# Altium PCB FPv0.16.PcbDoc (part 1 of 2) (continued)
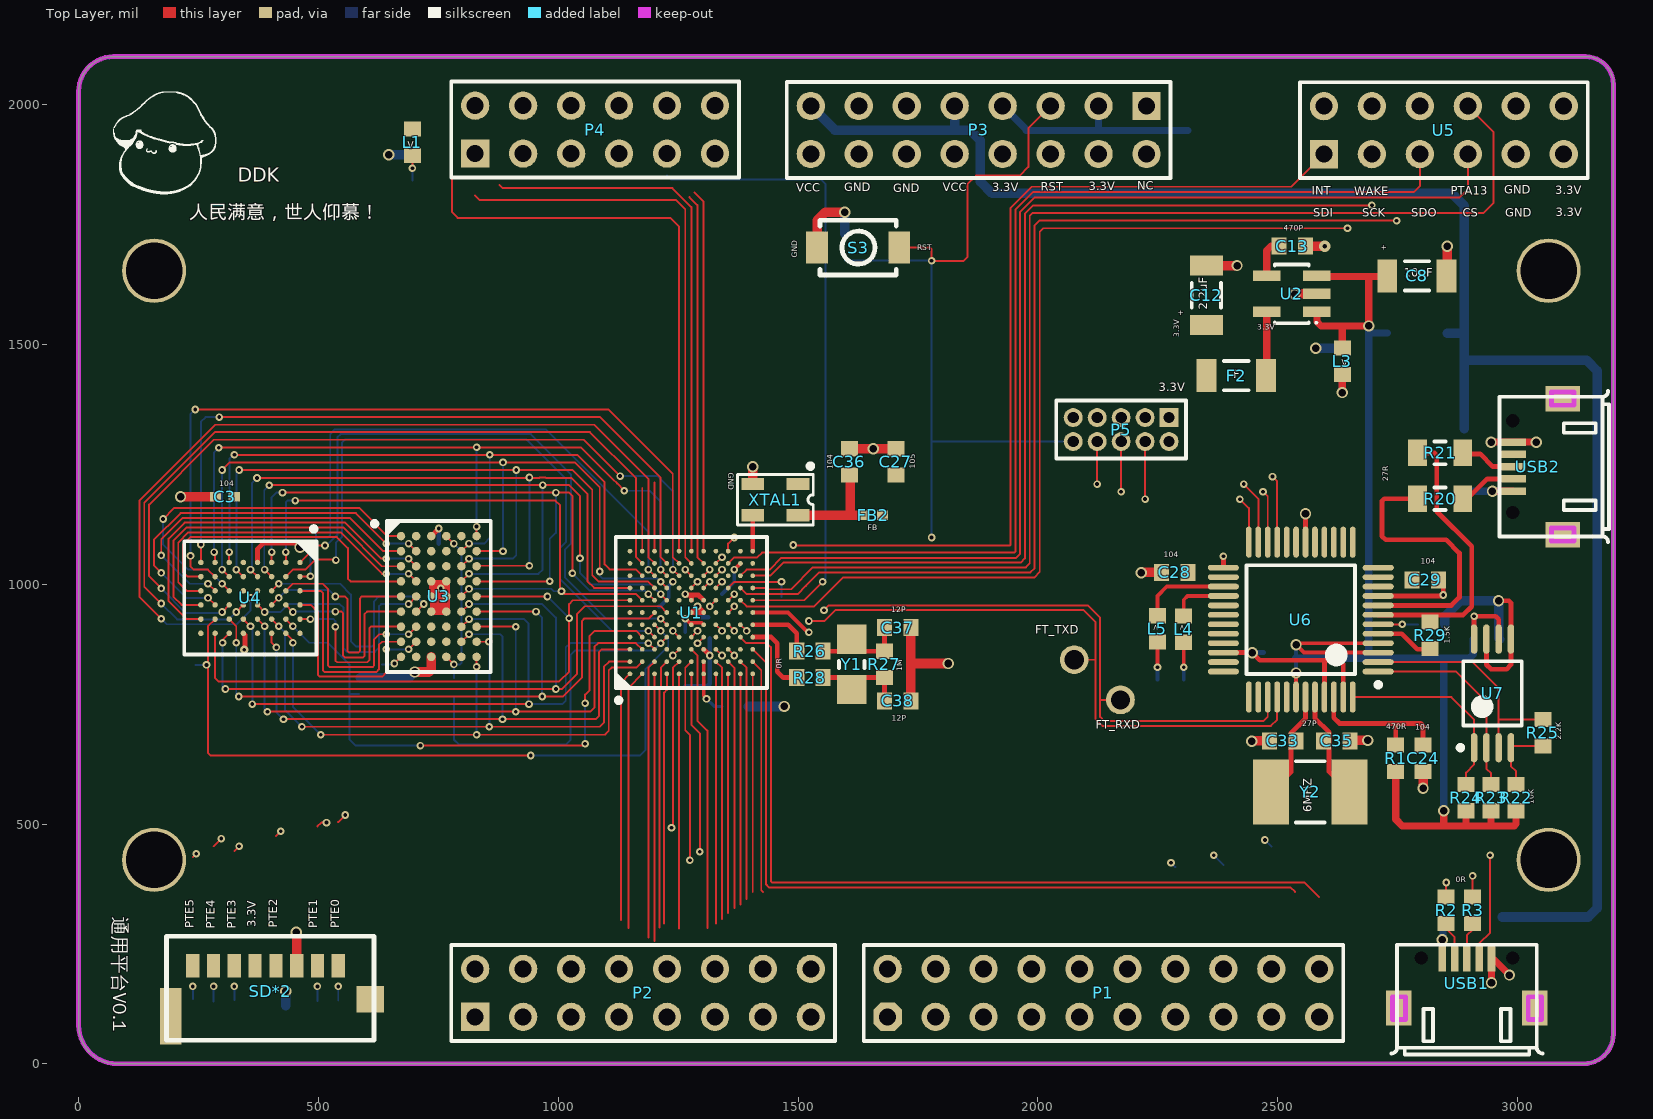
[diagram p0: Top Layer view]
## Footprints (in the part's own frame and the unit in brackets; to place one, negate y for a bottom-side part, rotate by r counter-clockwise, add the part's x,y. Pads: shape width x height; smd on the part's side, far side on the other; paste and mask are expansions set on the pad) (continued)
  silkscreen extent -3.77,-3.5 3,3.5, body extent -2.99,-3.49 2.99,3.49, height 1.04
BGA54C80P6X9_550X800X120 [mm] "BGA, 54-Leads, Body 5.50x8.00mmx1.20mm, Pitch 0.80mm"
  round 0.45 smd: A1(-2,3.2) A2(-1.2,3.2) A3(-0.4,3.2) A4(0.4,3.2) A5(1.2,3.2) A6(2,3.2) B1(-2,2.4) B2(-1.2,2.4) B3(-0.4,2.4) B4(0.4,2.4) B5(1.2,2.4) B6(2,2.4) C1(-2,1.6) C2(-1.2,1.6) C3(-0.4,1.6) C4(0.4,1.6) C5(1.2,1.6) C6(2,1.6) D1(-2,0.8) D2(-1.2,0.8) D3(-0.4,0.8) D4(0.4,0.8) D5(1.2,0.8) D6(2,0.8) E1(-2,0) E2(-1.2,0) E3(-0.4,0) E4(0.4,0) E5(1.2,0) E6(2,0) F1(-2,-0.8) F2(-1.2,-0.8) F3(-0.4,-0.8) F4(0.4,-0.8) F5(1.2,-0.8) F6(2,-0.8) G1(-2,-1.6) G2(-1.2,-1.6) G3(-0.4,-1.6) G4(0.4,-1.6) G5(1.2,-1.6) G6(2,-1.6) H1(-2,-2.4) H2(-1.2,-2.4) H3(-0.4,-2.4) H4(0.4,-2.4) H5(1.2,-2.4) H6(2,-2.4) J1(-2,-3.2) J2(-1.2,-3.2) J3(-0.4,-3.2) J4(0.4,-3.2) J5(1.2,-3.2) J6(2,-3.2)
  silkscreen extent -3.52,-4 2.75,4, body extent -2.75,-4 2.75,4, height 1.2
BGA121C65P11X11_800X800X50 [mm] "BGA, 121-Leads, Body 8.00x8.00mmx0.50mm, Pitch 0.65mm"
  round 0.25 smd: A1(-3.25,3.25) A2(-2.6,3.25) A3(-1.95,3.25) A4(-1.3,3.25) A5(-0.65,3.25) A6(0,3.25) A7(0.65,3.25) A8(1.3,3.25) A9(1.95,3.25) A10(2.6,3.25) A11(3.25,3.25) B1(-3.25,2.6) B2(-2.6,2.6) B3(-1.95,2.6) B4(-1.3,2.6) B5(-0.65,2.6) B6(0,2.6) B7(0.65,2.6) B8(1.3,2.6) B9(1.95,2.6) B10(2.6,2.6) B11(3.25,2.6) C1(-3.25,1.95) C2(-2.6,1.95) C3(-1.95,1.95) C4(-1.3,1.95) C5(-0.65,1.95) C6(0,1.95) C7(0.65,1.95) C8(1.3,1.95) C9(1.95,1.95) C10(2.6,1.95) C11(3.25,1.95) D1(-3.25,1.3) D2(-2.6,1.3) D3(-1.95,1.3) D4(-1.3,1.3) D5(-0.65,1.3) D6(0,1.3) D7(0.65,1.3) D8(1.3,1.3) D9(1.95,1.3) D10(2.6,1.3) D11(3.25,1.3) E1(-3.25,0.65) E2(-2.6,0.65) E3(-1.95,0.65) E4(-1.3,0.65) E5(-0.65,0.65) E6(0,0.65) E7(0.65,0.65) E8(1.3,0.65) E9(1.95,0.65) E10(2.6,0.65) E11(3.25,0.65) F1(-3.25,0) F2(-2.6,0) F3(-1.95,0) F4(-1.3,0) F5(-0.65,0) F6(0,0) F7(0.65,0) F8(1.3,0) F9(1.95,0) F10(2.6,0) F11(3.25,0) G1(-3.25,-0.65) G2(-2.6,-0.65) G3(-1.95,-0.65) G4(-1.3,-0.65) G5(-0.65,-0.65) G6(0,-0.65) G7(0.65,-0.65) G8(1.3,-0.65) G9(1.95,-0.65) G10(2.6,-0.65) G11(3.25,-0.65) H1(-3.25,-1.3) H2(-2.6,-1.3) H3(-1.95,-1.3) H4(-1.3,-1.3) H5(-0.65,-1.3) H6(0,-1.3) H7(0.65,-1.3) H8(1.3,-1.3) H9(1.95,-1.3) H10(2.6,-1.3) H11(3.25,-1.3) J1(-3.25,-1.95) J2(-2.6,-1.95) J3(-1.95,-1.95) J4(-1.3,-1.95) J5(-0.65,-1.95) J6(0,-1.95) J7(0.65,-1.95) J8(1.3,-1.95) J9(1.95,-1.95) J10(2.6,-1.95) J11(3.25,-1.95) K1(-3.25,-2.6) K2(-2.6,-2.6) K3(-1.95,-2.6) K4(-1.3,-2.6) K5(-0.65,-2.6) K6(0,-2.6) K7(0.65,-2.6) K8(1.3,-2.6) K9(1.95,-2.6) K10(2.6,-2.6) K11(3.25,-2.6) L1(-3.25,-3.25) L2(-2.6,-3.25) L3(-1.95,-3.25) L4(-1.3,-3.25) L5(-0.65,-3.25) L6(0,-3.25) L7(0.65,-3.25) L8(1.3,-3.25) L9(1.95,-3.25) L10(2.6,-3.25) L11(3.25,-3.25)
  silkscreen extent -4.77,-4 4,4, body extent -4,-4 4,4, height 0.5
HDR2X6 [mm] "Connector; Header; 6x2 Position"
  rect 1.5x1.5 hole 0.9: 1(0,0)
  round 1.5 hole 0.9: 2(0,2.54) 3(2.54,0) 4(2.54,2.54) 5(5.08,0) 6(5.08,2.54) 7(7.62,0) 8(7.62,2.54) 9(10.16,0) 10(10.16,2.54) 11(12.7,0) 12(12.7,2.54)
  silkscreen extent -1.27,-1.27 13.97,3.81, body extent -1.27,-1.27 13.97,3.81, height 7.58
HDR2X8 [mm] "Connector; Header; 8x2 Position"
  rect 1.5x1.5 hole 0.9: 1(0,0)
  round 1.5 hole 0.9: 2(0,2.54) 3(2.54,0) 4(2.54,2.54) 5(5.08,0) 6(5.08,2.54) 7(7.62,0) 8(7.62,2.54) 9(10.16,0) 10(10.16,2.54) 11(12.7,0) 12(12.7,2.54) 13(15.24,0) 14(15.24,2.54) 15(17.78,0) 16(17.78,2.54)
  silkscreen extent -1.27,-1.27 19.05,3.81, body extent -1.27,-1.27 19.05,3.81, height 7.58
HDR2X10 [mm] "Connector; Header; 10x2 Position"
  oct 1.5x1.5 hole 0.9: 1(0,0)
  round 1.5 hole 0.9: 2(0,2.54) 3(2.54,0) 4(2.54,2.54) 5(5.08,0) 6(5.08,2.54) 7(7.62,0) 8(7.62,2.54) 9(10.16,0) 10(10.16,2.54) 11(12.7,0) 12(12.7,2.54) 13(15.24,0) 14(15.24,2.54) 15(17.78,0) 16(17.78,2.54) 17(20.32,0) 18(20.32,2.54) 19(22.86,0) 20(22.86,2.54)
  silkscreen extent -1.27,-1.27 24.13,3.81, body extent -1.27,-1.27 24.13,3.81, height 7.58
"key 3*4*2" [mm]
  rect 1.15x1.7 smd: 1(-2.191,0) 2(2.159,0)
  silkscreen extent -2.03,-1.45 2,1.45
MHDR2X5 [mm] "Connector; Header; 5x2 Position"
  rect 1x1 hole 0.6: 1(0,0)
  round 1 hole 0.6: 2(0,1.27) 3(1.27,0) 4(1.27,1.27) 5(2.54,0) 6(2.54,1.27) 7(3.81,0) 8(3.81,1.27) 9(5.08,0) 10(5.08,1.27)
  silkscreen extent -0.9,-0.9 5.98,2.17
PIN [mil]
  rect 10x10 smd: 1(0,0)
R2012 [mm] "Chip Resistor, 2-Leads, Body 2.0x1.2mm, IPC Low Density"
  rect 1x1.4 smd: 1(-1.2,0) 2(1.2,0)
  silkscreen extent -0.3,-0.6 0.3,0.6, body extent -0.98,-0.6 1.02,0.6, height 0.5
SOT-23-5 [mm] "SOT-23/SC-74A; 5 Leads; Body 3.1 x 3 mm, inc. leads (LxW max)"
  rect 0.55x1.45 smd: 1(-0.95,-1.329) 2(0,-1.329) 3(0.95,-1.329) 4(0.95,1.329) 5(-0.95,1.329)
  silkscreen extent -1.57,-1.35 1.55,0.9
TF卡座(短体) [mm]
  rect 1.15x3 smd: 0(0.227,1.27)
  rect 1.48x1.4 smd: 0(10.795,2.159)
  rect 0.7x1.25 smd: 1(9.097,3.937) 2(7.997,3.937) 3(6.897,3.937) 4(5.797,3.937) 5(4.697,3.937) 6(3.597,3.937) 7(2.497,3.937) 8(1.397,3.937)
  silkscreen extent 0,0 11,5.5
TSOP65P640X120-8N-AT93C46D [mm] "TSOP, 8-Leads, Body 3.00x4.40mm, Pitch 0.65mm, IPC Medium Density"
  oval 1.55x0.35 smd: 1(-2.875,0.975) 2(-2.875,0.325) 3(-2.875,-0.325) 4(-2.875,-0.975) 5(2.875,-0.975) 6(2.875,-0.325) 7(2.875,0.325) 8(2.875,0.975)
  silkscreen extent -3,-1.55 1.7,1.82, body extent -2.25,-1.55 2.25,1.55, height 1.2
TSQFP50P900X900X160-48N [mm] "TSQFP, 48-Leads,FTDI FT2232D"
  oval 1.65x0.3 smd: 1(-4.1,2.75) 2(-4.1,2.25) 3(-4.1,1.75) 4(-4.1,1.25) 5(-4.1,0.75) 6(-4.1,0.25) 7(-4.1,-0.25) 8(-4.1,-0.75) 9(-4.1,-1.25) 10(-4.1,-1.75) 11(-4.1,-2.25) 12(-4.1,-2.75) 25(4.1,-2.75) 26(4.1,-2.25) 27(4.1,-1.75) 28(4.1,-1.25) 29(4.1,-0.75) 30(4.1,-0.25) 31(4.1,0.25) 32(4.1,0.75) 33(4.1,1.25) 34(4.1,1.75) 35(4.1,2.25) 36(4.1,2.75)
  oval 0.3x1.65 smd: 13(-2.75,-4.1) 14(-2.25,-4.1) 15(-1.75,-4.1) 16(-1.25,-4.1) 17(-0.75,-4.1) 18(-0.25,-4.1) 19(0.25,-4.1) 20(0.75,-4.1) 21(1.25,-4.1) 22(1.75,-4.1) 23(2.25,-4.1) 24(2.75,-4.1) 37(2.75,4.1) 38(2.25,4.1) 39(1.75,4.1) 40(1.25,4.1) 41(0.75,4.1) 42(0.25,4.1) 43(-0.25,4.1) 44(-0.75,4.1) 45(-1.25,4.1) 46(-1.75,4.1) 47(-2.25,4.1) 48(-2.75,4.1)
  silkscreen extent -4.23,-2.88 2.88,3.57, body extent -3.5,-3.5 3.5,3.5, height 1.6
USB-MICRO-5P-2F#1 [mm]
  round 0 hole 0.7: 0(-3.725,0) 0(1.125,0)
  rect 0.4x1.4 smd: 1(0,0) 2(-0.65,0) 3(-1.3,0) 4(-1.95,0) 5(-2.6,0)
  rect 1.35x1.85 all layers, no hole: 6(2.3,2.65) 7(-4.9,2.65)
  Keep-Out Layer lines w0.254: 2.65,3.25 2.65,2.05 1.95,2.05 1.95,3.25 2.65,3.25 ; -4.55,3.25 -5.25,3.25 -5.25,2.05 -4.55,2.05 -4.55,3.25
  silkscreen extent -5.3,-0.7 2.7,5.1
USB-MICRO-5P-2F#2 [mm]
  round 0 hole 0.7 mask+0.051: 0(-3.725,0) 0(1.125,0)
  rect 0.4x1.4 smd: 1(0,0) 2(-0.65,0) 3(-1.3,0) 4(-1.95,0) 5(-2.6,0)
  rect 1.35x1.85 all layers, no hole: 6(2.3,2.65) 7(-4.9,2.65)
  Keep-Out Layer lines w0.254: 2.65,2.05 2.65,3.25 1.95,3.25 1.95,2.05 2.65,2.05 ; -4.55,2.05 -5.25,2.05 -5.25,3.25 -4.55,3.25 -4.55,2.05
  silkscreen extent -5.3,-0.7 2.7,5.1
XTAL7_3225 [mil]
  rect 47.2x25.6 smd: 1(-47.25,-32.5) 2(47.25,-32.5) 3(47.25,32.5) 4(-47.25,32.5)
  silkscreen extent -79,-75 79,53

## Part data
C1 C2 C3 C7 C13 C15 C16 C17 C18 C22 C24 C27 C28 C29 C32 C33 C34 C35 C36 C37 C38: "贴片电容"
C8 C12 C14: "Polarized Capacitor (Radial)"
D1 D2: library part "Diode 1N4001", "1 Amp General Purpose Rectifier"
F1 F2: library part "Fuse 1", "Fuse"
P1: "Header, 10-Pin, Dual row"
P2 P3: "Header, 8-Pin, Dual row"
P4 U5: "Header, 6-Pin, Dual row"
P5: library part "Header 5X2", "Header, 5-Pin, Dual row"
R1 R2 R3 R4 R5 R6 R7 R8 R9 R10 R14 R15 R16 R17 R18 R19 R20 R21 R22 R23 R24 R25 R26 R27 R28 R29 R30 R31 R32 R33 R34: "贴片电阻"
S3: "Switch"
U2: "LDO"
XTAL1: library part 有源晶体
Y1 Y2: library part XTAL, "晶体振荡器"

## Free pads (board coordinates)
  round 60 hole 40: 0(2075.79,842.52) 1(2172.24,758.86)
  round 133.86 hole 118.11: 0(3064.96,425.2) 1(157.48,425.2) 2(157.48,1653.54) 3(3064.96,1653.54)

## Via types
v1: diameter 15.87, hole 7.87, Top Layer to Bottom Layer, tented both sides, 200 vias
v2: diameter 23.62, hole 15.75, Top Layer to Bottom Layer, tented both sides, 33 vias
v3: diameter 23.62, hole 9.45, Top Layer to Bottom Layer, tented both sides, 1 vias
v4: diameter 17.83, hole 7.87, Top Layer to Bottom Layer, tented both sides, 1 vias

## Nets (pads, with @x,y where several pads share a name; then routed paths per layer and width w, separated by ;. In a path a pad name is that pad's centre, name@x,y a point inside that pad or via, vN(x,y) a via of type N, cw(c..) or ccw(c..) an arc to the next point about the centre after c; other vN are vias at no path point)
3.3V: C1.2 C2.2 C3.2 C12.1 C14.1 C15.2 C16.2 C17.2 C18.2 C27.2 C28.2 C29.2 F2.2 FB1.1 FB2.1 P5.1 R4.1 R5.1 R6.1 R7.1 R8.1 R9.1 R14.2 R15.2 R16.2 R18.2 R19.2 R32.1 R33.2 SD*2.4 U1.E5 U1.E6 U1.E7 U1.K6 U1.L10 U3.C3 U3.C4 U3.G3 U3.G4 U4.A6 U4.D6 U4.E1 U5.11 U5.12 U6.10 U6.14 U6.26 U6.31
3.3V_0R: P3.3 P3.7 R33.1 | length 461.1
  Bottom Layer w15: P3.7@1926.61,1997.05 1977.8,1945.87 ; 1975.43,1945.87 1977.8,1945.87 ; P3.3@2126.61,1997.05 2126.61,1945.87 ; R33.1@2312.99,1945.87 2126.61,1945.87 ; 1977.8,1945.87 2126.61,1945.87
5V: C8.1 C22.2 C34.2 F1.2 L3.1 R1.1 R22.1 R23.1 R24.1 U2.1 U2.3 U6.3 U6.4 U6.42 U7.6 U7.8 | length 3012
  Top Layer w8: U6.42@2538.39,764.76 v2(2538.39,814.96) ; U6.3@2709.65,857.28 2555.12,857.28 v2(2538.39,874.02) 2541.34,876.97 U6.4@2709.65,876.97
  Top Layer w10: U7.8@2909.61,885.47 v1(2909.61,933.23) 2954.57,933.23 2960.79,927.01 U7.6@2960.79,885.47
  Top Layer w15: U2.1@2581.85,1567.91 2581.85,1547.09 2590.55,1538.39 v2(2689.96,1538.39) 2689.96,1641.73 ; U2.3@2581.85,1642.72 2582.83,1641.73 2689.96,1641.73 ; L3.1@2634.84,1492.13 2634.84,1537.4 ; C8.1@2728.35,1642.72 2727.36,1641.73 2689.96,1641.73 ; R1.1@2746.06,609.25 2746.06,509.84 2759.84,496.06 2993.11,496.06 2997.05,500 R22.1@2997.05,527.56 ; 2846.46,497.05 v2(2846.46,527.56) ; 2892.72,497.05 R24.1@2892.72,527.56 ; 2944.88,498.03 R23.1@2944.88,527.56
  Bottom Layer w8: v2(2538.39,814.96) C22.2@2538.39,844.49 ; C22.2@2538.39,846.46 v2(2538.39,874.02)
  Bottom Layer w10: C34.2@2909.61,887.44 v1(2909.61,933.23)
  Bottom Layer w15: C22.2@2537.4,845.47 2687.01,845.47 ; v2(2689.96,1538.39) 2689.96,1523.62 ; F1.2@2729.33,1523.62 2689.96,1523.62 ; v2@2846.46,523.62 v2(2846.46,527.56) 2846.46,845.47 ; C34.2@2907.64,885.47 2907.64,853.5 2899.61,845.47 2846.46,845.47 ; 2687.01,845.47 2689.96,848.43 2689.96,1523.62 ; 2687.01,845.47 2846.46,845.47
50MHZ: U1.L11 XTAL1.3 | length 74.8
  Top Layer w10: U1.L11@1405.51,1068.9 XTAL1.3@1405.51,1143.68
AD0: U1.B2 U3.J6 U4.B6 | length 1211.2
  Top Layer w4: U4.B6@432.09,897.64 446.85,882.87 v1(446.85,877.95) ; v1(504.92,686.02) v1(829.72,686.02) 1098.43,687.01 1105.35,693.94 1105.35,820.2 1111.26,826.1 1162.72,826.1 U1.B2@1175.2,838.58 ; v1(829.72,827.76) U3.J6@829.72,848.43
  Bottom Layer w4: v1(446.85,877.95) 446.85,744.09 v1(504.92,686.02) ; v1(829.72,686.02) v1(829.72,827.76)
AD1: U1.A2 U3.H6 U4.C5 | length 1262.8
  Top Layer w4: U4.C5@402.56,927.17 v1(417.32,912.4) ; v1(465.55,702.76) v1(856.3,702.76) 1086.61,702.76 1095.35,711.5 1095.35,828.07 1105.87,838.58 U1.A2@1149.61,838.58 ; U3.H6@829.72,879.92 v1(855.32,879.92)
  Bottom Layer w4: v1(417.32,912.4) 430.12,899.61 430.12,738.19 v1(465.55,702.76) ; v1(855.32,879.92) 856.3,879.92 v1(856.3,702.76)
AD2: U1.A3 U3.H5 U4.C6 | length 1316.4
  Top Layer w4: U4.C6@402.56,897.64 402.56,877.95 v1(412.39,868.12) ; v1(427.17,718.5) v1(883.86,718.5) 1077.76,718.5 1085.35,726.1 1085.35,858.98 1090.55,864.17 U1.A3@1149.61,864.17 ; U3.H5@798.23,879.92 v1(813.98,895.67)
  Bottom Layer w4: v1(412.39,868.12) 412.39,733.46 427.17,718.68 v1(427.17,718.5) ; v1(813.98,895.67) 878.94,895.67 883.86,890.75 v1(883.86,718.5)
AD3: U1.B3 U3.G6 U4.D5 | length 1380.7
  Top Layer w4: U4.D5@373.03,927.17 v1(387.8,912.4) ; v1(393.7,734.25) v1(911.42,734.25) 1066.93,734.25 1075.35,742.68 1075.35,869.41 1083.23,877.28 1162.09,877.28 U1.B3@1175.2,864.17 ; U3.G6@829.72,911.42 v1(911.42,911.42)
  Bottom Layer w4: v1(387.8,912.4) 387.8,740.16 v1(393.7,734.25) ; v1(911.42,734.25) v1(911.42,911.42)
AD4: U1.C3 U3.G5 U4.E5 | length 1464
  Top Layer w4: U4.E5@343.5,927.17 v1(358.27,912.4) ; v1(362.2,750) v1@937.99,750 ; U3.G5@798.23,911.42 v1(813.98,927.17) ; v1(1187.99,876.96) U1.C3@1200.79,864.17
  Bottom Layer w4: v1(358.27,912.4) 362.2,908.46 v1(362.2,750) ; v1(813.98,927.17) 929.13,927.17 937.99,918.31 v1@937.99,750.31 ; v1@938.3,750.31 1009.17,750.31 1015.75,756.89 1015.75,868.11 1024.6,876.96 v1(1187.99,876.96)
  other v1: 938.98,750
AD5: U1.C6 U3.F6 U4.F5 | length 1484.9
  Top Layer w4: U4.F5@313.98,927.17 328.74,912.4 v1(328.74,877.95) ; v1(333.66,765.75) v1(966.54,765.75) 1009.84,765.75 1049.21,805.12 1049.21,923.23 1054.45,928.46 1188.31,928.46 U1.C6@1200.79,940.94 ; U3.F6@829.72,942.91 v1(953.74,942.91)
  Bottom Layer w4: v1(328.74,877.95) 328.74,770.67 v1(333.66,765.75) ; v1(953.74,942.91) 966.54,930.12 v1(966.54,765.75)
AD6: U1.D6 U3.F5 U4.F6 | length 1562.8
  Top Layer w4: v1(300.2,877.95) 300.2,883.86 U4.F6@313.98,897.64 ; v1(306.1,781.5) v1(995.08,781.5) 1007.87,781.5 1039.21,812.83 1039.21,938.42 1054.84,954.06 1213.27,954.06 U1.D6@1226.38,940.94 ; U3.F5@798.23,942.91 v1(813.98,958.66)
  Bottom Layer w4: v1(300.2,877.95) 300.2,787.4 v1(306.1,781.5) v1@310.04,781.5 ; v1(813.98,958.66) 966.54,958.66 995.08,930.12 v1(995.08,781.5)
AD7: U1.A7 U3.E6 U4.G6 | length 1325.8
  Top Layer w4: U4.G6@284.45,897.64 284.45,804.13 291.34,797.24 1001.97,797.24 1022.64,817.91 v1(1022.64,929.13) 1022.64,958.66 1030.51,966.54 U1.A7@1149.61,966.54 ; U3.E6@829.72,974.41 v1(977.36,974.41)
  Bottom Layer w4: v1(977.36,974.41) v1(1022.64,929.13)
AD8: U1.B7 U3.E5 U4.B1 | length 1276.6
  Top Layer w4: U4.B1@432.09,1045.28 v1(432.09,1066.93) ; v1(451.77,1174.21) 994.09,1174.21 1003.78,1164.53 1003.78,988.35 v1(1006.89,985.24) 1012.48,979.65 1162.09,979.65 U1.B7@1175.2,966.54 ; U3.E5@798.23,974.41 v1(813.98,990.16)
  Bottom Layer w4: v1(432.09,1066.93) 432.09,1171.26 435.04,1174.21 v1(451.77,1174.21) ; v1@814.29,990.47 985.91,990.47 991.14,985.24 v1(1006.89,985.24)
AD9: U1.C7 U3.D6 U4.C1 | length 1468.5
  Top Layer w4: U4.C1@402.56,1045.28 v1(402.56,1066.93) ; v1(425.2,1190.94) 1022.64,1190.94 1029.53,1184.06 v1(1029.53,1022.64) ; U3.D6@829.72,1005.91 v1(982.28,1005.91) ; v1(1188,979.33) U1.C7@1200.79,966.54
  Bottom Layer w4: v1(402.56,1066.93) 402.56,1181.1 412.4,1190.94 v1(425.2,1190.94) ; v1(982.28,1005.91) 982.28,1094.49 994.92,1107.13 994.92,1190.79 v1(995.08,1190.94) ; v1(1029.53,1022.64) 1065.63,986.54 1180.79,986.54 v1(1188,979.33)
AD10: U1.D7 U3.D5 U4.C2 | length 1579.1
  Top Layer w4: v1(387.8,1030.51) U4.C2@402.56,1015.75 ; v1(397.64,1206.38) 1022.95,1206.38 1045.28,1184.06 v1(1045.28,1054.13) ; U3.D5@798.23,1005.91 v1(813.98,1021.65) ; v1(1213.58,979.33) U1.D7@1226.38,966.54
  Bottom Layer w4: v1(387.8,1030.51) 387.12,1031.18 387.12,1195.87 v1(397.64,1206.38) ; v1(813.98,1021.65) 958.66,1021.65 967.52,1030.51 v1(967.52,1206.69) ; v1(1045.28,1054.13) 1045.37,1054.04 1045.37,1023.53 1069.57,999.33 1193.58,999.33 v1(1213.58,979.33)
AD11: U1.A8 U3.C6 U4.D2 | length 1497.2
  Top Layer w4: v1(358.27,1030.51) U4.D2@373.03,1015.75 ; v1@368.11,1221.82 960.81,1221.82 961.13,1222.13 973.91,1222.13 974.22,1221.82 1027.2,1221.82 1060.87,1188.15 1060.87,1006.06 1074.8,992.13 U1.A8@1149.61,992.13 ; U3.C6@829.72,1037.4 830.71,1038.39 v1(939.96,1038.39)
  Bottom Layer w4: v1(358.27,1030.51) 361.22,1033.46 361.22,1210.63 v1(372.05,1221.46) ; v1(939.96,1038.39) 938.98,1038.39 939.96,1039.37 v1(939.96,1222.44)
AD12: U1.C8 U3.C5 U4.E2 | length 1601.3
  Top Layer w4: v1(328.74,1030.51) U4.E2@343.5,1015.75 ; v1@338.58,1238.19 1029.53,1238.19 1070.87,1196.85 1070.87,1018.58 1084.21,1005.24 1187.68,1005.24 U1.C8@1200.79,992.13 ; U3.C5@798.23,1037.4 v1(813.98,1053.15)
  Bottom Layer w4: v1(328.74,1030.51) 329.41,1031.19 329.41,1232.96 v1(334.65,1238.19) ; v1(813.98,1053.15) 905.51,1053.15 912.4,1060.04 v1(912.4,1238.19)
AD13: U1.D8 U3.B6 U4.F2 | length 1619.3
  Top Layer w4: v1(299.21,1030.51) U4.F2@313.98,1015.75 ; v1(299.21,1238.19) 314.96,1253.94 1034.45,1253.94 1086.61,1201.77 v1(1086.61,1026.57) ; U3.B6@829.72,1068.9 v1(884.84,1068.9) ; v1(1213.58,1004.92) U1.D8@1226.38,992.13
  Bottom Layer w4: v1(299.21,1030.51) 298.54,1031.19 298.54,1237.52 v1(299.21,1238.19) ; v1(884.84,1068.9) v1(884.84,1253.94) ; v1(1086.61,1026.57) 1086.61,1017.6 1092.09,1012.13 1206.38,1012.13 v1(1213.58,1004.92)
AD14: U1.B9 U3.B5 U4.F1 | length 1526.5
  Top Layer w4: U4.F1@313.98,1045.28 v1(313.98,1066.93) ; v1(324.8,1269.69) v1(857.28,1269.69) 1039.37,1269.69 1096.61,1212.44 1096.61,1041.18 1106.97,1030.83 1162.09,1030.83 U1.B9@1175.2,1017.72 ; U3.B5@798.23,1068.9 v1(813.98,1084.65)
  Bottom Layer w4: v1(313.98,1066.93) 314.65,1067.6 314.65,1262.48 v1@321.85,1269.69 ; v1(813.98,1084.65) 845.47,1084.65 857.28,1096.46 v1(857.28,1269.69)
AD15: U1.D9 U3.A6 U4.G1 | length 1554.4
  Top Layer w4: U4.G1@284.45,1045.28 v1@284.45,1064.96 ; v1@292.32,1285.43 v1(829.72,1285.43) 1047.24,1285.43 1113.5,1219.18 1113.5,1219 1122.54,1209.96 1122.72,1209.96 v1(1137.8,1194.88) ; U3.A6@829.72,1100.39 v1(829.72,1120.08) ; v1(1213.58,1030.51) U1.D9@1226.38,1017.72
  Bottom Layer w4: v1(282.48,1066.93) 282.48,1274.61 v1(292.32,1284.45) ; v1(829.72,1120.08) v1(829.72,1285.43) ; v1(1137.8,1194.88) 1190.94,1194.88 1213.58,1172.24 v1(1213.58,1030.51)
AD16: U1.E9 U4.F4 | length 1731.5
  Top Layer w4: v1@172.24,990.16 v1(172.24,991.14) 146.81,1016.58 146.81,1165.77 282.22,1301.18 1053.15,1301.18 v1(1128.94,1225.39) ; v1(299.21,941.93) U4.F4@313.98,956.69 ; v1(1239.17,1030.51) U1.E9@1251.97,1017.72
  Bottom Layer w4: v1@172.24,990.16 v1(172.24,991.14) 223.58,939.8 297.09,939.8 v1(299.21,941.93) ; v1(1128.94,1225.39) 1207.68,1225.39 1239.17,1193.9 v1(1239.17,1030.51)
AD17: U1.B10 U4.E4 | length 1735.3
  Top Layer w4: v1@172.24,957.68 v1(172.24,959.65) 136.81,995.08 136.81,1169.91 283.83,1316.93 1065.94,1316.93 1162.4,1220.47 1162.4,1056.1 U1.B10@1175.2,1043.31 ; v1(328.74,941.93) U4.E4@343.5,956.69
  Bottom Layer w4: v1@172.24,957.68 v1(172.24,959.65) 205.4,926.49 313.3,926.49 v1(328.74,941.93)
AD18: U1.C10 U4.D3 | length 1869.8
  Top Layer w4: v1(172.24,928.15) 126.81,973.59 126.81,1174.05 285.12,1332.37 1075.11,1332.37 1187.99,1219.49 1187.99,1056.1 U1.C10@1200.79,1043.31 ; v1(358.27,971.46) U4.D3@373.03,986.22
  Bottom Layer w4: v1(172.24,928.15) 183.9,916.49 329.88,916.49 358.27,944.88 v1(358.27,971.46)
AD19: U1.D10 U4.H1 | length 1492.7
  Top Layer w4: U4.H1@254.92,1045.28 v1(254.92,1082.68) ; v1(293.31,1348.43) 1087.6,1348.43 1213.58,1222.44 1213.58,1056.1 U1.D10@1226.38,1043.31
  Bottom Layer w4: v1(254.92,1082.68) 254.92,1338.58 264.76,1348.43 v1(293.31,1348.43)
AD20: U1.E10 U4.G2 | length 1634.8
  Top Layer w4: v1(233.27,1059.06) 233.27,1037.4 240.16,1030.51 269.68,1030.51 U4.G2@284.45,1015.75 ; v1(243.11,1364.17) 1105.31,1364.17 1238.74,1230.75 1238.74,1074.16 1238.8,1074.1 1238.8,1056.48 U1.E10@1251.97,1043.31
  Bottom Layer w4: v1(233.27,1059.06) 233.27,1354.33 v1(243.11,1364.17)
ADDR0: PIN1.1 U3.J1 | length 45.9
  Top Layer w4: v1(658.46,834.65) U3.J1@672.24,848.43
  Bottom Layer w4: PIN1.1@632.87,832.68 656.5,832.68 v1(658.46,834.65)
ADDR1: U3.H1 U4.A3 | length 431.1
  Top Layer w4: U4.A3@461.61,986.22 504.92,986.22 509.68,981.46 509.68,820.04 512.48,817.24 621.38,817.24 626.3,822.16 626.3,873.34 632.87,879.92 U3.H1@672.24,879.92
ADDR2: U3.H2 U4.A4 | length 439.1
  Top Layer w4: U4.A4@461.61,956.69 484.25,956.69 499.02,941.93 499.02,811.02 502.8,807.24 633.03,807.24 641.73,815.94 v1(641.73,864.17) ; v1(687.99,864.17) U3.H2@703.74,879.92
  Bottom Layer w4: v1(641.73,864.17) v1(687.99,864.17)
ADDR3: U3.G1 U4.A5 | length 366.2
  Top Layer w4: U4.A5@461.61,927.17 v1(483.27,927.17) ; v1(535.43,911.42) 535.43,840.55 538.74,837.24 602,837.24 606.3,841.54 606.3,889.35 606.3,908.46 609.25,911.42 U3.G1@672.24,911.42
  Bottom Layer w4: v1(483.27,927.17) 531.5,927.17 535.43,923.23 v1(535.43,911.42)
ADDR4: U3.G2 U4.B3 | length 510.4
  Top Layer w4: U4.B3@432.09,986.22 446.85,1000.98 508.86,1000.98 519.68,990.16 519.68,830.71 523.15,827.24 612.83,827.24 616.3,830.71 616.3,885.21 626.76,895.67 v1(641.73,895.67) v1@641.42,895.98 ; v1(687.99,895.67) U3.G2@703.74,911.42
  Bottom Layer w4: v1(641.73,895.67) v1(687.99,895.67)
ADDR5: U3.F1 U4.B4 | length 429
  Top Layer w4: U4.B4@432.09,956.69 v1(446.85,941.93) ; v1(535.43,942.91) 548.23,942.91 551.02,940.12 551.02,851.54 555.32,847.24 593.15,847.24 596.3,850.39 596.3,912.76 596.46,912.93 596.46,937.99 601.38,942.91 U3.F1@672.24,942.91
  Bottom Layer w4: v1(446.85,941.93) 447.83,942.91 v1(535.43,942.91)
ADDR6: U3.F2 U4.C3 | length 558.7
  Top Layer w4: U4.C3@402.56,986.22 v1(417.32,1000.98) ; U3.F2@703.74,942.91 v1(719.49,958.66)
  Bottom Layer w4: v1(417.32,1000.98) 545.28,1000.98 567.91,978.35 567.91,880.91 578.74,870.08 611.06,870.08 615.98,875 615.98,964.41 625.98,974.41 703.74,974.41 v1(719.49,958.66)
ADDR7: U3.E1 U4.C4 | length 513.3
  Top Layer w4: U4.C4@402.56,956.69 v1(417.32,971.46) ; v1(535.43,974.41) 555.12,974.41 561.02,968.5 561.02,860.24 564.02,857.24 583.3,857.24 586.3,860.24 586.3,970.15 590.55,974.41 U3.E1@672.24,974.41
  Bottom Layer w4: v1(417.32,971.46) 434.06,988.19 521.65,988.19 v1(535.43,974.41)
ADDR8: U3.E2 U4.D4 | length 533.4
  Top Layer w4: U4.D4@373.03,956.69 v1(387.8,941.93) ; v1(687.99,958.66) U3.E2@703.74,974.41
  Bottom Layer w4: v1(387.8,941.93) 420.28,941.93 437.01,958.66 544.29,958.66 552.32,950.63 552.32,865.98 559.57,858.74 617.59,858.74 625.98,867.13 625.98,953.74 630.91,958.66 v1(687.99,958.66)
ADDR9: U3.D1 U4.H2 | length 635.1
  Top Layer w4: U4.H2@254.92,1015.75 227.36,1015.75 217.68,1025.43 217.68,1082.63 233.18,1098.13 538.68,1098.13 561.52,1075.3 561.52,1011.32 566.93,1005.91 U3.D1@672.24,1005.91
ADDR10: U3.D2 U4.H3 | length 684.7
  Top Layer w4: U4.H3@254.92,986.22 225.39,986.22 207.68,1003.93 207.68,1086.77 229.04,1108.13 546.4,1108.13 632.87,1021.65 v1(641.73,1021.65) ; v1(687.99,1021.65) U3.D2@703.74,1005.91
  Bottom Layer w4: v1(641.73,1021.65) v1(687.99,1021.65)
ADDR11: U3.C1 U4.H4 | length 701.1
  Top Layer w4: U4.H4@254.92,956.69 214.57,956.69 197.68,973.58 197.68,1090.92 225.19,1118.43 551.42,1118.43 632.44,1037.4 U3.C1@672.24,1037.4
ADDR12: U3.C2 U4.H5 | length 780.6
  Top Layer w4: U4.H5@254.92,927.17 225.39,927.17 187.68,964.88 187.68,1095.06 221.05,1128.43 555.63,1128.43 630.91,1053.15 v1(641.73,1053.15) ; v1(687.99,1053.15) U3.C2@703.74,1037.4
  Bottom Layer w4: v1(641.73,1053.15) v1(687.99,1053.15)
ADDR13: U3.B1 U4.G3 | length 723.8
  Top Layer w4: v1(172.24,1060.04) 172.24,1093.76 216.91,1138.43 565.32,1138.43 634.84,1068.9 U3.B1@672.24,1068.9 ; v1(269.68,1000.98) U4.G3@284.45,986.22
  Bottom Layer w4: v1(172.24,1060.04) 231.3,1000.98 v1(269.68,1000.98)
ADDR14: U3.B2 U4.G4 | length 818.2
  Top Layer w4: v1(172.24,1023.62) 156.81,1039.06 156.81,1092.47 212.76,1148.43 577.95,1148.43 v1(641.73,1084.65) ; v1(269.68,971.46) U4.G4@284.45,956.69 ; v1(687.99,1084.65) U3.B2@703.74,1068.9
  Bottom Layer w4: v1(172.24,1023.62) 224.41,971.46 v1(269.68,971.46) ; v1(641.73,1084.65) v1(687.99,1084.65)
ADDR15: U3.A1 U4.F3 | length 760.4
  Top Layer w4: v1(176.18,1135.83) 198.78,1158.43 585.67,1158.43 643.7,1100.39 U3.A1@672.24,1100.39 ; v1(299.21,1000.98) U4.F3@313.98,986.22
  Bottom Layer w4: v1(176.18,1135.83) 176.18,1082.68 228.35,1030.51 269.68,1030.51 v1(299.21,1000.98)
AGND: R10.2 U1.F6 U1.G6 | length 116.3
  Top Layer w10: 1290.35,940.95 v1(1290.35,953.74) ; v1(1290.35,953.74) U1.G6@1303.15,940.94 U1.F6@1277.56,940.94 v1(1290.35,953.74)
  Bottom Layer w10: v1(1290.35,953.74) 1290.35,937.01 1296.42,930.95 R10.2@1312.87,930.95